# Altium PCB PM_Drive_UI.PcbDoc
Units mm, origin at the board's own origin, x right, y up, seen from the top; angles counter-clockwise.
Board outline 105.43 x 31.01 mm, 2 copper layers (Top Layer, Bottom Layer), stack 1.671 mm thick; 50 components, 35 nets, 165 pads, 268 vias.
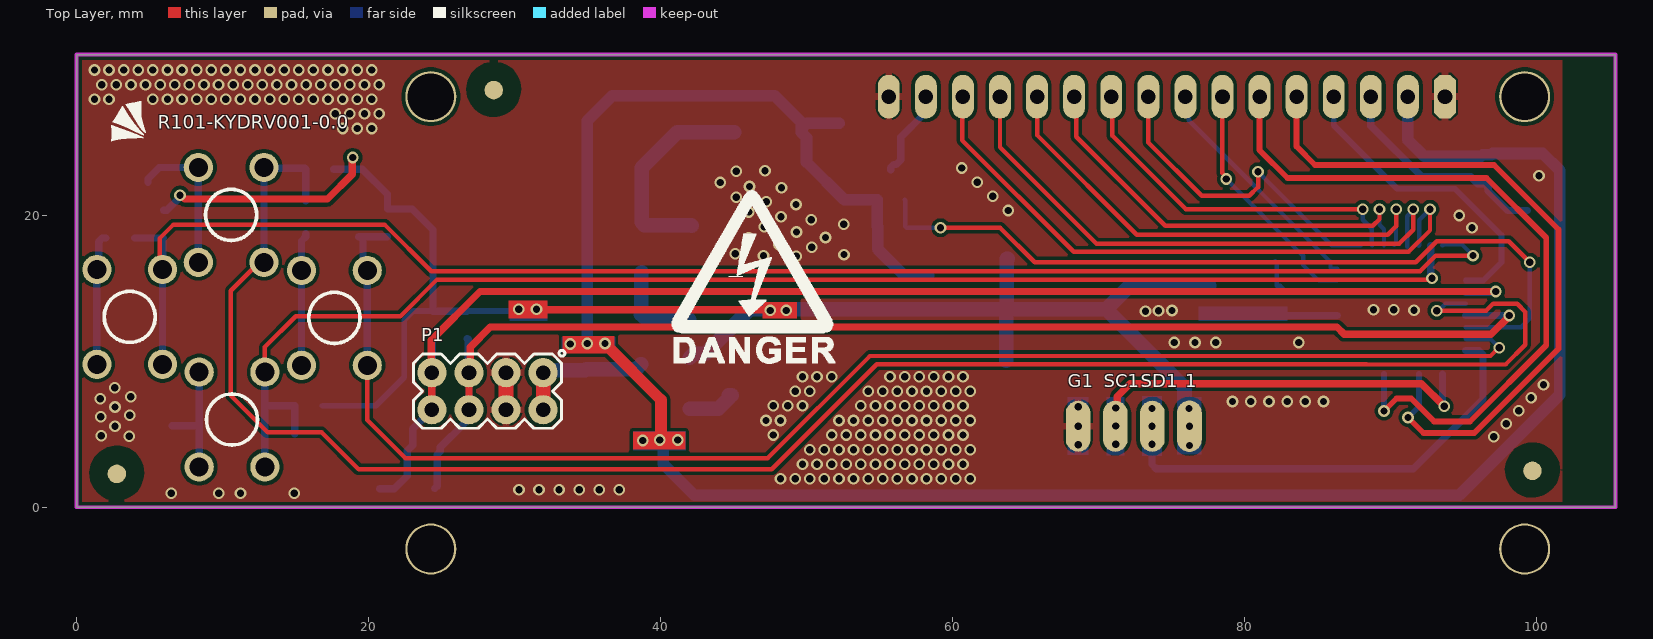
[diagram p0: Top Layer view]
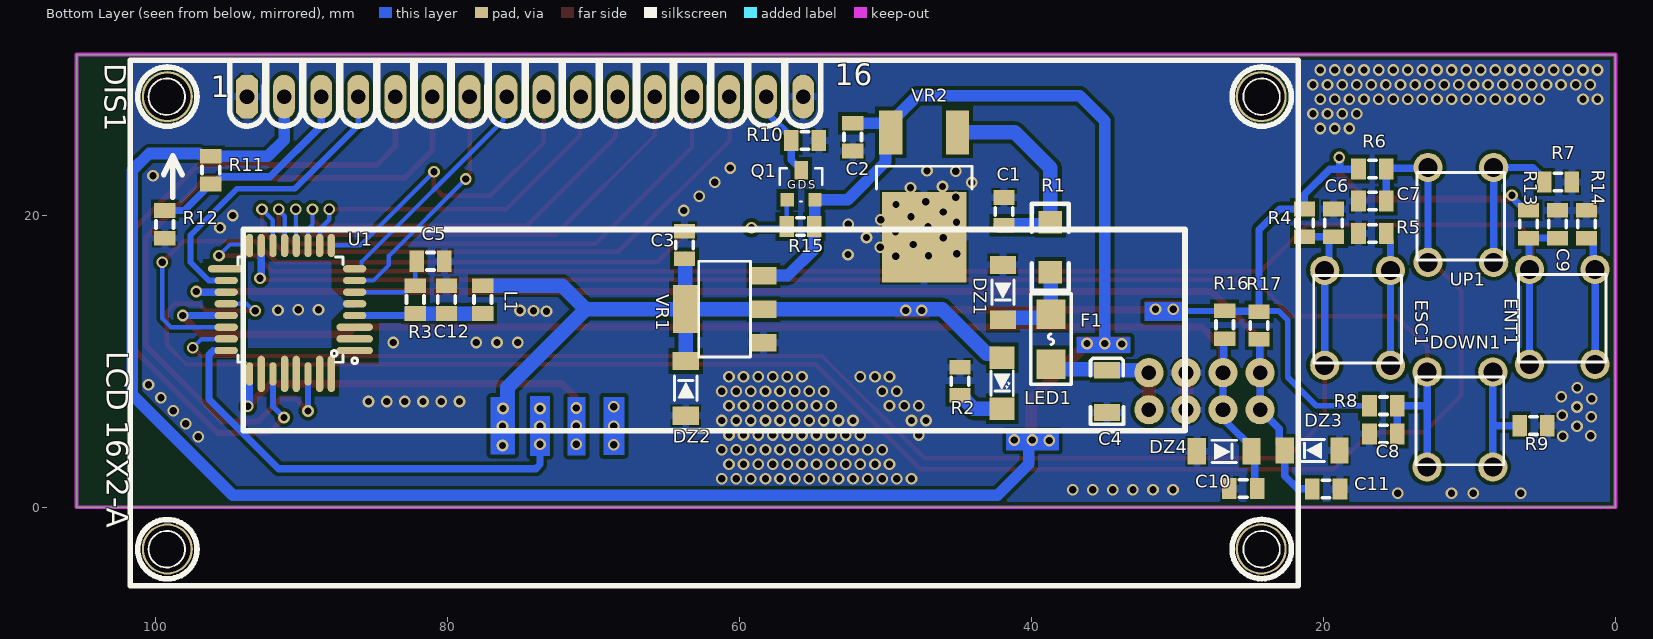
[diagram p1: Bottom Layer view, seen from below]

## Layer stack, top to bottom
Top Solder: solder mask 0.0102, Solder Resist, Dk 3.5
Top Layer: signal copper 0.0356
Dielectric 1: dielectric 1.6, FR-4, Dk 4.8
Bottom Layer: signal copper 0.0356
Bottom Solder: solder mask 0.0102, Solder Resist, Dk 3.5

## Board outline
0,0 105.425,0 105.425,31.01 0,31.01

## Design rules (kind name [scope] priority, off if disabled: settings)
Clearance [All] p1: gap=0.254 ignorepadtopadclearanceinfootprint=FALSE except(0: Arc-Hole Track-Hole SMDPad-Hole THPad-Hole Via-Hole Fill-Hole Poly-Hole Region-Hole Text-Hole)
HoleSize [All] p1: absolutevalues=TRUE maxlimit=5 minlimit=0.025 maxpercent=80.000 minpercent=20.000
MinimumSolderMaskSliver [All] p1: minsoldermaskwidth=0
PlaneConnect [All] p1: planeconnectstyle=Direct reliefexpansion=0.508 reliefentries=4 reliefconductorwidth=0.254 reliefairgap=0.254
PolygonConnect [All] p1: thpad.connectstyle=Relief thpad.reliefconductorwidth=0.508 thpad.reliefentries=4 thpad.polygonreliefangle="90 Angle" thpad.airgapwidth=0.127 smdpad.connectstyle=Relief smdpad.reliefconductorwidth=0.508 smdpad.reliefentries=4 smdpad.polygonreliefangle="90 Angle" smdpad.airgapwidth=0.127 via.connectstyle=Direct via.reliefconductorwidth=0.508 via.reliefentries=4 via.polygonreliefangle="90 Angle" via.airgapwidth=0.127
RoutingVias [All] p1: holewidth=0.5 width=0.9 viastyle="Through Hole" minholewidth=0.4 minwidth=0.8 maxholewidth=0.711 maxwidth=1.27
SilkToSilkClearance [All] p1: silktosilkclearance=0
SilkToSolderMaskClearance [IsPad] p1: minsilkscreentomaskgap=0 clearancetoexposedcopper=TRUE
SolderMaskExpansion [All] p1: expansion=0.102 istentingtop=FALSE
Width [All] p1: maxlimit=2.54 minlimit=0.254 preferedwidth=0.508 minimp=50.000000 maximp=50.000000 favimp=50.000000
25 further rules are at their usual default settings.

## Classes and differential pairs
component class PM_Drive_UI: 1 C1 C4 C7 C9 C12 DIS1 DOWN1 DZ1 DZ2 DZ3 DZ4 ENT1 ESC1 F1 G1 L1 LED1 P1 Q1 R1 R4 R6 R7 R8 R9 R10 R11 R13 R14 SC1 SD1 U1 UP1 VR1

## Components (designator, comment, footprint, x,y, rotation, side; value= is the part's Value field where it differs from the comment)
1 "" TPSMD_D1#1 77.784,5.544 r270 top net-tie value=VALUE
C1 "10UF_0805_16V" Cap_0805_Nominal 41.882,20.265 r270 bottom value=100nF
C2 "100NF_0805_16V" Cap_0805_Nominal 52.25,25.349 r90 bottom value=100nF
C3 "220NF_0805_16V" Cap_0805_Nominal 63.778,17.964 r270 bottom value=100nF
C4 "10UF_3216(A)_16V" Cap_Tantal(3216)_A 34.836,7.936 r90 bottom value=100UF_25V_5*5.8
C5 "100NF_0805_50V" Cap_0805_Nominal 81.171,16.843 r0 bottom value=100nF
C6 "10UF_0805_16V" Cap_0805_Nominal 19.32,19.475 r270 bottom value=100nF
C7 "10UF_0805_16V" Cap_0805_Nominal 16.658,20.976 r180 bottom value=100nF
C8 "10UF_0805_16V" Cap_0805_Nominal 15.902,5.024 r180 bottom value=100nF
C9 "10UF_0805_16V" Cap_0805_Nominal 3.978,19.385 r270 bottom value=100nF
C10 "100PF_0805_50V" Cap_0805_Nominal 25.499,1.281 r0 bottom value=100nF
C11 "100PF_0805_50V" Cap_0805_Nominal 19.825,1.251 r180 bottom value=100nF
C12 "100NF_0805_50V" Cap_0805_Nominal 80.08,14.221 r90 bottom value=100nF
DIS1 "LCD_2X16_A" LCD_2X16_A 101.742,30.621 r180 bottom locked
DOWN1 "SW_SPDT_4PIN" SWPBS-DIP_6X6X13.5 10.652,6.005 r90 bottom locked
DZ1 "ZENER_13V_MINIMELF" Diode_ZENER_MINIMELF 41.962,14.721 r270 bottom
DZ2 "ZENER_3.3V_MINIMELF" Diode_ZENER_MINIMELF 63.688,8.146 r90 bottom
DZ3 "ZENER_3.3V_MINIMELF" Diode_ZENER_MINIMELF 20.786,3.883 r0 bottom
DZ4 "ZENER_3.3V_MINIMELF" Diode_ZENER_MINIMELF 26.804,3.823 r180 bottom
ENT1 "SW_SPDT_4PIN" SWPBS-DIP_6X6X13.5 3.647,13.04 r90 bottom locked
ESC1 "SW_SPDT_4PIN" SWPBS-DIP_6X6X13.5 17.668,12.97 r90 bottom locked
F1 "Resetable_0.2A_1206" FUSE_1206 38.669,11.499 r90 bottom
G1 "" TPSMD_D1#2 68.617,5.544 r180 top net-tie value=VALUE
L1 "10UH_0805" INDUCTOR_0805_Nominal 77.598,14.221 r270 bottom
LED1 "WHITE_1206" LED_1206_NOMINAL 42.016,8.481 r270 bottom
P1 "Header 4X2_Male_2.54" HDR_M_2X4_2.54MM 28.155,7.946 r180 top locked
Q1 "AO3401_SOT23" SOT23_MOSFET 55.792,22.077 r180 bottom
R1 "1R_1206" "Res_1206_BIG SIZE" 38.709,17.804 r270 bottom value=10K_0603
R2 "1K_0805" Res_0805_Nominal 44.894,8.627 r270 bottom value=10K_0603
R3 "3.3K_0805" Res_0805_Nominal 82.222,14.221 r270 bottom value=10K_0603
R4 "3.3K_0805" Res_0805_Nominal 21.301,19.475 r270 bottom value=10K_0603
R5 "1K_0805" Res_0805_Nominal 16.658,18.754 r0 bottom value=10K_0603
R6 "3.3K_0805" Res_0805_Nominal 16.658,23.158 r180 bottom value=10K_0603
R7 "1K_0805" Res_0805_Nominal 3.943,22.267 r180 bottom value=10K_0603
R8 "3.3K_0805" Res_0805_Nominal 15.902,6.945 r180 bottom value=10K_0603
R9 "1K_0805" Res_0805_Nominal 5.619,5.584 r180 bottom value=10K_0603
R10 "1K_0805" Res_0805_Nominal 55.522,25.119 r180 bottom value=10K_0603
R11 "0.56K_0805" Res_0805_Nominal 96.223,23.088 r90 bottom value=10K_0603
R12 "0.1K_0805" Res_0805_Nominal 99.375,19.375 r90 bottom value=10K_0603
R13 "3.3K_0805" Res_0805_Nominal 5.96,19.385 r270 bottom value=10K_0603
R14 "1K_0805" Res_0805_Nominal 1.996,19.385 r90 bottom value=10K_0603
R15 "1K_0805" Res_0805_Nominal 55.832,19.225 r0 bottom value=10K_0603
R16 "3.3K_0805" Res_0805_Nominal 26.77,12.499 r90 bottom value=10K_0603
R17 "3.3K_0805" Res_0805_Nominal 24.419,12.449 r90 bottom value=10K_0603
SC1 "" TPSMD_D1#3 71.489,5.544 r180 top net-tie value=VALUE
SD1 "" TPSMD_D1#4 74.732,5.544 r180 top net-tie value=VALUE
U1 "STM32G030K6T6_LQFP32" QFG80_32 90.769,13.53 r0 bottom value=STM32G030K6T6
UP1 "SW_SPDT_4PIN" SWPBS-DIP_6X6X13.5 10.592,20.025 r90 bottom locked
VR1 "AMS1117_3.3V_SOT223" SOT223 61.026,13.57 r90 bottom
VR2 "78M05_DPACK" DPAK 47.356,22.087 r0 bottom

## Footprints (in the part's own frame and the unit in brackets; to place one, negate y for a bottom-side part, rotate by r counter-clockwise, add the part's x,y. Pads: shape width x height; smd on the part's side, far side on the other; paste and mask are expansions set on the pad)
Cap_0805_Nominal [mm]
  rect 1x1.45 smd: 1(-0.95,0) 2(0.95,0)
  silkscreen extent -0.25,-0.6 0.25,0.6, body extent -1,-0.64 1,0.65, height 1.29
Cap_Tantal(3216)_A [mm]
  rect 1.15x1.8 smd: 1(1.45,0) 2(-1.45,0)
  silkscreen extent -2.25,-1.13 2.26,1.13, body extent -1.7,-0.84 1.7,0.84, height 1.71
Diode_ZENER_MINIMELF [mm]
  rect 1.25x1.8 smd: 1(-1.875,0) 2(1.875,0)
  silkscreen extent -0.84,-0.76 0.84,0.76, body extent -1.82,-0.81 1.88,0.79, height 1.61
DPAK [mm]
  rect 1.6x3 smd: 1(-2.285,-3.59) 3(2.285,-3.59)
  rect 5.8x6.2 smd: 2(0,3.59)
  silkscreen extent -3.27,-1.27 3.26,0.29, body extent -3.37,-4.45 3.36,6, height 2.39
FUSE_1206 [mm]
  rect 2x2 smd: 1(-1.705,0.001) 2(1.724,0.001)
  silkscreen extent -3.09,-1.38 3.12,1.38, body extent -1.69,-0.85 1.71,0.85, height 0.81
HDR_M_2X4_2.54MM [mm] "Male Header 2X04 with 2.54 mm Pitch"
  round 2 / inner round 1.5 / far side round 2 hole 1 mask+0.1: 1(-3.81,-1.27) 2(-3.81,1.27) 3(-1.27,-1.27) 4(-1.27,1.27) 5(1.27,-1.27) 6(1.27,1.27) 7(3.81,-1.27) 8(3.81,1.27)
  silkscreen extent -5.3,-2.8 5.08,2.54, body extent -5.08,-2.49 5.08,2.49, height 8.54
INDUCTOR_0805_Nominal [mm]
  rect 1x1.45 smd: 1(-0.95,0) 2(0.95,0)
  silkscreen extent -0.25,-0.6 0.25,0.6, body extent -1.1,-0.72 1.1,0.73, height 0.55
LCD_2X16_A [mm]
  round 3.5 hole 3.2: 0(2.54,-33.487) 0(2.54,-2.499) 0(77.47,-33.487) 0(77.47,-2.499)
  oct 1.5x3 hole 1: 1(8,-2.5)
  oval 1.5x3 hole 1: 2(10.54,-2.5) 3(13.08,-2.5) 4(15.62,-2.5) 5(18.16,-2.5) 6(20.7,-2.5) 7(23.24,-2.5) 8(25.78,-2.5) 9(28.32,-2.5) 10(30.86,-2.5) 11(33.4,-2.5) 12(35.94,-2.5) 13(38.48,-2.5) 14(41.02,-2.5) 15(43.56,-2.5) 16(46.1,-2.5)
  silkscreen extent 0,-36 80,0, body extent 0,-36.06 80.01,-0.06, height 14
LED_1206_NOMINAL [mm]
  rect 1.54x1.7 smd: 1(-1.75,0) 2(1.75,0)
  silkscreen extent -0.84,-0.76 0.84,0.76, body extent -1.6,-0.8 1.6,0.8, height 1.1
QFG80_32 [mm] "TQFP32, A32 (Cypress), GP32 (Zarlink), MS-026ABA(JEDEC), 7X7mm, 0.8mm"
  oval 2.5x0.5 smd: 1(-4.4,2.8) 2(-4.4,2) 3(-4.4,1.2) 17(4.4,-2.8)
  oval 1.6x0.5 smd: 4(-4.4,0.4) 5(-4.4,-0.4) 6(-4.4,-1.2) 7(-4.4,-2) 8(-4.4,-2.8) 18(4.4,-2) 19(4.4,-1.2) 20(4.4,-0.4) 21(4.4,0.4) 22(4.4,1.2) 23(4.4,2) 24(4.4,2.8)
  oval 0.5x1.6 smd: 9(-2.8,-4.4) 10(-2,-4.4) 11(-1.2,-4.4) 12(-0.4,-4.4) 13(0.4,-4.4) 14(1.2,-4.4) 15(2,-4.4) 16(2.8,-4.4) 25(2.8,4.4) 27(1.2,4.4) 30(-1.2,4.4)
  oval 0.5x2.5 smd: 26(2,4.4) 28(0.4,4.4) 29(-0.4,4.4) 31(-2,4.4) 32(-2.8,4.4)
  silkscreen extent -4.6,-3.6 3.6,3.7, body extent -4.5,-4.5 4.5,4.5, height 1.63
Res_0805_Nominal [mm]
  rect 1x1.45 smd: 1(-0.95,0) 2(0.95,0)
  silkscreen extent -0.25,-0.6 0.25,0.6, body extent -1,-0.62 1,0.63, height 0.47
"Res_1206_BIG SIZE" [mil]
  rect 60x62.99 smd: 1(67.5,0) 2(-67.5,0)
  silkscreen extent -118,-50 118,50, body extent -62,-32 64,31, height 21
SOT23_MOSFET [mil]
  rect 36x36 smd: 1(-37.5,-40) 2(37.5,-40)
  rect 36x50 smd: 3(0.5,40)
  silkscreen extent -58,-45 58,45, body extent -59,-49 59,49, height 42
SOT223 [mm]
  rect 1.2x1.775 smd: 1(-2.3,-2.663) 2(0,-2.663) 3(2.3,-2.663)
  rect 3.3x1.775 smd: 2(0,2.663)
  silkscreen extent -3.27,-1.78 3.27,1.77, body extent -3.25,-3.48 3.25,3.48, height 1.68
SWPBS-DIP_6X6X13.5 [mm]
  round 2 hole 1.3: 1(-3.25,2.25) 2(-3.25,-2.25) 3(3.25,-2.25) 4(3.25,2.25)
  silkscreen extent -3.1,-3 2.9,3, body extent -4.29,-3 4.09,3, height 15
TPSMD_D1#1 [mm] "Test Point, SMD Pad, Circle, 1mm X 1mm"
  oval 3.52x1.7 smd paste-1.016 mask+0.025: 1(0,-1.547)
TPSMD_D1#2 [mm] "Test Point, SMD Pad, Circle, 1mm X 1mm"
  oval 1.7x3.5 smd paste-1.016 mask+0.025: 1(0,0)
TPSMD_D1#3 [mm] "Test Point, SMD Pad, Circle, 1mm X 1mm"
  oval 1.7x3.5 smd paste-1.016 mask+0.025: 1(0.332,0)
TPSMD_D1#4 [mm] "Test Point, SMD Pad, Circle, 1mm X 1mm"
  oval 1.7x3.5 smd paste-1.016 mask+0.025: 1(1.034,0)

## Part data
1 G1 SC1 SD1: library part TESTPOINT_SMD, "TEST POINT", MANF=MANF, MANF_P#=MANF_P#
C1 C2 C3 C5 C6 C7 C8 C9 C10 C11 C12: library part Cap, Component ID=000401
C4: library part Cap_Electrical
DZ1 DZ2 DZ3 DZ4: library part Diode_Zener
F1: library part FUSE
L1: library part Inductor, Component ID=003143
LED1: library part LED, Component ID=000517
P1: library part "Header 4X2", "Header, 6-Pin, Dual row", LatestRevisionDate=17-Jul-2002, LatestRevisionNote="Re-released for DXP Platform.", Publisher="Altium Limited"
Q1: library part MOSFET-P, "P-Channel MOSFET", LatestRevisionDate=17-Jul-2002, LatestRevisionNote="Re-released for DXP Platform.", PackageDescription="TO, Flat Index; 3 In-Line, Axial Leads; Body Dia. 4.6mm; Lead Dia. 0.5 mm (max)", PackageReference=E3, PackageVersion=1995/1996, Published=8-Jun-2000, Publisher="Altium Limited"
R1 R2 R3 R4 R5 R6 R7 R8 R9 R10 R11 R12 R13 R14 R15 R16 R17: library part RES, Component ID=000091
U1: library part STM32G030K6T6, "MCU, STM32, Arm® Cortex®-M0+ 32-bit MCU, 32KB FLASH, 8KB SRAM, 64 MHz CPU, 2x USART, timers, ADC, comm. I/Fs, 2.0-3.6V", DESC="64MHz, I2C, SPI, USART", MANF=ST, MANF_P#=STM32G030K6T6, PARAM="32KB FLASH,8KB SRAM, -40~85°C", PARAM2="2~3.6VCC, 64MHz, 12Bit ADC", PRICE=1$
VR1: library part AMS1117
VR2: library part 78M05

## Free pads (board coordinates)
  round 1.27 smd mask+1.27: 0(2.763,2.28) 0(28.582,28.57) 0(99.737,2.49)

## Via types
v1: diameter 0.8, hole 0.5, Top Layer to Bottom Layer, tented both sides, 268 vias

## Nets (pads, with @x,y where several pads share a name; then routed paths per layer and width w, separated by ;. In a path a pad name is that pad's centre, name@x,y a point inside that pad or via, vN(x,y) a via of type N, cw(c..) or ccw(c..) an arc to the next point about the centre after c; other vN are vias at no path point)
3V3: 1.1 C3.2 DZ2.2 L1.1 LED1.1 R4.1 R6.1 R8.1 R13.1 R16.2 R17.2 VR1.2 | length 120.2
  Top Layer w0.5: v1(7.089,21.359) 7.171,21.359 7.423,21.106 17.193,21.106 18.884,22.797 18.884,23.911 v1(18.923,23.949) ; v1(31.514,13.55) 31.534,13.53 47.476,13.53 v1(47.526,13.48)
  Bottom Layer w0.4: R8.1 20.506,6.945 22.457,8.897 22.457,12.82 23.078,13.44 24.378,13.44 R17.2 ; R16.2 v1@30.433,13.449 ; v1(30.293,13.55) 30.433,13.41 30.964,13.41
  Bottom Layer w0.5: R13.1 6.185,20.335 7.032,21.182 7.032,21.301 v1(7.089,21.359) ; R6.1 18.894,23.158 ; v1(18.923,23.949) 18.894,23.921 18.894,23.158 ; R16.2 26.745,13.424 24.444,13.424 R17.2 24.419,19.004 22.998,20.425 R4.1 21.301,21.441 19.585,23.158 18.894,23.158
  Bottom Layer w1: LED1.1 42.286,10.501 43.066,10.501 46.135,13.57 58.364,13.57 VR1.2@63.689,13.57 ; DZ2.2 VR1.2@63.689,13.57 ; C3.2 63.734,17.014 63.734,13.615 VR1.2@63.689,13.57 ; v1(76.208,6.765) 76.168,6.765 75.897,7.036 75.897,8.217 70.544,13.57 ; L1.1 72.145,15.171 70.544,13.57 ; VR1.2@63.689,13.57 70.544,13.57
  other v1: 76.238,4.223 76.237,5.544 48.627,13.48
+12v: C4.1 F1.1 P1.1 P1.2 | length 9.5
  Top Layer w1: P1.2 P1.1
  Bottom Layer w1: P1.1 32.135,9.386 C4.1 34.912,9.461 38.338,9.461 F1.1
A: DIS1.7 U1.7 | length 16.6
  Top Layer w0.3: DIS1.7@78.482,28.101 78.482,22.89 78.76,22.612 v1(78.76,22.477)
  Bottom Layer w0.3: v1(78.76,22.477) 84.024,17.213 84.024,16.593 85.086,15.53 U1.7
Anode: DIS1.15 Q1.3 R10.1 | length 6.1
  Bottom Layer w0.5: Q1.3 55.78,23.271 55.987,23.478 56.165,23.478 56.472,23.785 R10.1 56.472,25.344 57.991,26.863 57.991,27.93 DIS1.15
B: DIS1.8 U1.8 | length 16.3
  Bottom Layer w0.3: DIS1.8 76.192,27.892 76.192,26.507 85.899,16.8 85.899,16.423 85.991,16.33 U1.8
C: DIS1.9 U1.9 | length 22.6
  Top Layer w0.3: DIS1.9 73.422,24.982 77.079,21.326 80.341,21.326 80.941,21.927 v1(80.941,22.977)
  Bottom Layer w0.3: v1(80.941,22.977) 85.989,17.93 U1.9
D: DIS1.10 U1.10 | length 24.7
  Top Layer w0.3: DIS1.10@70.964,28.211 70.964,25.439 75.998,20.405 v1(88.107,20.405)
  Bottom Layer w0.3: v1(88.107,20.405) 88.107,19.692 88.731,19.069 88.731,17.969 U1.10
D4: Q1.1 R15.2 U1.22 | length 55.3
  Top Layer w0.3: v1(59.191,19.146) 63.266,19.146 65.64,16.773 91.74,16.773 93.181,18.214 98.115,18.214 v1(99.546,16.783)
  Bottom Layer w0.3: Q1.1 56.782,21.023 R15.2 56.861,19.146 v1(59.191,19.146) ; U1.22 98.956,12.33 99.546,12.92 v1(99.546,16.783)
DP: DIS1.14 U1.14 | length 43
  Top Layer w0.3: DIS1.14@60.566,28.021 60.666,27.921 60.666,25.139 68.312,17.493 91.249,17.493 92.718,18.962 v1(92.718,20.405)
  Bottom Layer w0.3: U1.14@91.95,17.914 91.969,17.933 91.969,19.656 v1(92.718,20.405)
E: DIS1.11 U1.11 | length 29.6
  Top Layer w0.3: DIS1.11@68.292,28.151 68.482,27.961 68.482,25.379 74.59,19.271 88.804,19.271 89.26,19.727 v1(89.26,20.405)
  Bottom Layer w0.3: v1(89.26,20.405) 89.26,19.343 89.569,19.034 U1.11
EN: DIS1.6 U1.30 | length 50
  Top Layer w0.4: DIS1.6 81.042,24.458 82.953,22.547 96.593,22.547 100.686,18.454 100.686,11.098 95.462,5.874 93.001,5.874 91.429,7.446 90.43,7.446 v1(89.569,6.585)
  Bottom Layer w0.4: v1(89.569,6.585) U1.30
F: DIS1.12 U1.12 | length 34
  Top Layer w0.3: DIS1.12 65.802,25.487 72.625,18.664 89.82,18.664 90.413,19.257 v1(90.413,20.405)
  Bottom Layer w0.3: U1.12@90.279,17.974 90.391,18.086 90.391,20.384 v1(90.413,20.405)
G: DIS1.13 U1.13 | length 39
  Top Layer w0.3: DIS1.13@63.262,28.107 63.262,24.655 69.869,18.047 90.602,18.047 91.566,19.01 v1(91.566,20.405)
  Bottom Layer w0.3: U1.13@91.159,17.844 91.159,19.932 91.566,20.338 v1(91.566,20.405)
GND: C1.1 C2.1 C3.1 C4.2 C5.1 C6.1 C7.1 C8.1 C9.1 C10.2 C11.2 C12.2 DIS1.1 DIS1.16 DZ1.1 DZ2.1 DZ3.1 DZ4.1 G1.1 P1.3 P1.4 R2.1 R5.2 R7.2 R9.2 R10.2 R12.1 R14.2 U1.5 VR1.1 VR2.2 | length 2.5
  Top Layer w1: P1.4 P1.3
  other v1: 6.495,0.951 9.74,0.951 11.229,0.951 14.911,0.951 30.313,1.191 31.686,1.191 33.059,1.191 34.432,1.191 35.805,1.191 37.178,1.191 48.228,1.944 49.228,1.944 50.228,1.944 51.228,1.944 52.228,1.944 53.228,1.944 54.228,1.944 55.228,1.944 56.228,1.944 57.228,1.944 58.228,1.944 59.228,1.944 60.228,1.944 61.228,1.944 49.728,2.944 50.728,2.944 51.728,2.944 52.728,2.944 53.728,2.944 54.728,2.944 55.728,2.944 56.728,2.944 57.728,2.944 58.728,2.944 59.728,2.944 60.728,2.944 50.228,3.944 51.228,3.944 52.228,3.944 53.228,3.944 54.228,3.944 55.228,3.944 56.228,3.944 57.228,3.944 58.228,3.944 59.228,3.944 60.228,3.944 61.228,3.944 68.612,4.273 97.084,4.834 3.623,4.864 1.701,4.894 47.728,4.944 51.728,4.944 52.728,4.944 53.728,4.944 54.728,4.944 55.728,4.944 56.728,4.944 57.728,4.944 58.728,4.944 59.728,4.944 60.728,4.944 2.642,5.544 68.617,5.544 97.937,5.724 47.228,5.944 48.228,5.944 52.228,5.944 53.228,5.944 54.228,5.944 55.228,5.944 56.228,5.944 57.228,5.944 58.228,5.944 59.228,5.944 60.228,5.944 61.228,5.944 1.671,6.195 3.643,6.305 98.79,6.615 2.642,6.865 68.622,6.885 47.728,6.944 48.728,6.944 49.728,6.944 53.728,6.944 54.728,6.944 55.728,6.944 56.728,6.944 57.728,6.944 58.728,6.944 59.728,6.944 60.728,6.944 79.19,7.235 80.437,7.235 81.684,7.235 82.931,7.235 84.178,7.235 85.425,7.235 1.621,7.436 99.643,7.506 3.723,7.556 49.228,7.944 50.228,7.944 54.228,7.944 55.228,7.944 56.228,7.944 57.228,7.944 58.228,7.944 59.228,7.944 60.228,7.944 61.228,7.944 2.622,8.176 100.496,8.396 49.728,8.944 50.728,8.944 51.728,8.944 55.728,8.944 56.728,8.944 57.728,8.944 58.728,8.944 59.728,8.944 60.728,8.944 75.197,11.283 76.619,11.283 78.042,11.283 83.73,11.283 73.226,13.43 74.116,13.46 75.044,13.475 91.62,13.49 88.847,13.52 90.229,13.53 49.302,17.184 47.066,17.233 52.57,17.303 45.134,17.363 50.368,17.814 48.107,17.995 46.06,18.457 51.309,18.474 49.317,18.854 95.593,19.135 47.102,19.205 52.55,19.375 45.14,19.528 50.338,19.685 48.257,19.893 94.722,19.975 46.045,20.216 63.828,20.325 49.287,20.736 47.246,20.931 45.204,21.226 62.764,21.296 48.292,21.887 46.103,21.969 44.103,22.237 61.7,22.267 100.186,22.697 45.204,23.007 47.166,23.037 60.636,23.238 18.228,25.944 19.228,25.944 20.228,25.944 17.728,26.944 18.728,26.944 19.728,26.944 20.728,26.944 1.228,27.944 2.228,27.944 5.228,27.944 6.228,27.944 7.228,27.944 8.228,27.944 9.228,27.944 10.228,27.944 11.228,27.944 12.228,27.944 13.228,27.944 14.228,27.944 15.228,27.944 16.228,27.944 17.228,27.944 18.228,27.944 19.228,27.944 20.228,27.944 1.728,28.944 2.728,28.944 3.728,28.944 4.728,28.944 5.728,28.944 6.728,28.944 7.728,28.944 8.728,28.944 9.728,28.944 10.728,28.944 11.728,28.944 12.728,28.944 13.728,28.944 14.728,28.944 15.728,28.944 16.728,28.944 17.728,28.944 18.728,28.944 19.728,28.944 20.728,28.944 1.228,29.944 2.228,29.944 3.228,29.944 4.228,29.944 5.228,29.944 6.228,29.944 7.228,29.944 8.228,29.944 9.228,29.944 10.228,29.944 11.228,29.944 12.228,29.944 13.228,29.944 14.228,29.944 15.228,29.944 16.228,29.944 17.228,29.944 18.228,29.944 19.228,29.944 20.228,29.944
M.VCC: C12.1 L1.2 R3.2 U1.4 | length 8.8
  Bottom Layer w0.5: L1.2 C12.1 R3.2 82.363,13.13 U1.4
NetC1_2: C1.2 R1.2 VR2.1 | length 14.6
  Bottom Layer w1: C1.2@42.145,19.277 42.107,19.315 C1.2 38.912,19.315 R1.2 38.709,23.238 41.149,25.677 VR2.1
NetC5_2: C5.2 R3.1 U1.6 | length 6
  Bottom Layer w0.3: C5.2 82.222,16.742 R3.1 82.447,15.171 82.888,14.73 U1.6
NetDOWN1_2: DOWN1.2 DOWN1.3 R9.1 | length 8.4
  Bottom Layer w0.5: R9.1 8.333,5.584 8.403,5.514 ; DOWN1.2 8.403,5.514 ; DOWN1.3 8.403,5.514
NetDZ1_2: DZ1.2 F1.2 R1.1 | length 6.3
  Bottom Layer w1: R1.1 38.69,16.069 38.69,13.242 F1.2 38.921,12.971 41.837,12.971 DZ1.2
NetENT1_2: ENT1.2 ENT1.3 R14.1 | length 9.1
  Bottom Layer w0.5: ENT1.3 ENT1.2 1.397,9.741 ENT1.2@1.521,9.617 ; ENT1.3@1.521,16.362 R14.1@1.521,17.959 ; R14.1@1.521,17.96 1.521,18.185 1.772,18.435 R14.1
NetESC1_2: ESC1.2 ESC1.3 R5.1 | length 9.2
  Bottom Layer w0.5: ESC1.2 ESC1.3 15.418,18.24 15.708,18.529 R5.1
NetLED1_2: LED1.2 R2.2 | length 3.4
  Bottom Layer w1: LED1.2 43.949,6.731 44.669,7.452 44.669,7.677 R2.2
NetR7_1: R7.1 UP1.2 UP1.3 | length 10.5
  Bottom Layer w0.5: R7.1 4.893,22.492 5.676,23.275 UP1.3 UP1.2
RS: DIS1.4 U1.18 | length 21.4
  Bottom Layer w0.4: DIS1.4 86.122,26.163 90.469,21.817 94.432,21.817 97.614,18.634 97.614,16.78 96.365,15.53 U1.18
RW: DIS1.5 U1.27 | length 48.3
  Top Layer w0.4: DIS1.5 83.582,24.71 84.844,23.448 97.104,23.448 101.527,19.024 101.527,10.858 95.753,5.084 92.27,5.084 v1(91.209,6.145)
  Bottom Layer w0.4: v1(91.209,6.145) 91.964,6.9 91.964,9.126 U1.27
RX1: C10.1 DZ4.2 P1.5 P1.6 R16.1 U1.21 | length 91
  Top Layer w0.5: P1.6 P1.5 ; P1.5@26.968,9.284 26.968,10.966 28.342,12.339 86.346,12.339 86.846,11.839
  Top Layer w0.508: 86.846,11.839 96.894,11.839 98.145,13.09 v1(98.145,13.134)
  Bottom Layer w0.5: U1.21 98.141,13.13 v1(98.145,13.134)
  Bottom Layer w0.508: C10.1 24.699,1.43 24.699,3.593 DZ4.2 24.929,4.098 26.599,5.768 26.599,6.39 P1.6 P1.5 26.827,9.273 26.827,11.492 R16.1
SW_1: C9.2 ENT1.1 ENT1.4 R13.2 U1.16 | length 107.4
  Top Layer w0.3: ENT1.4@5.834,16.242 5.694,16.382 5.694,18.414 6.615,19.335 21.126,19.335 24.298,16.162 92.04,16.162 93.112,17.234 v1(95.661,17.234)
  Bottom Layer w0.3: U1.16 93.598,17.93 93.661,17.994 94.902,17.994 v1(95.661,17.234)
  Bottom Layer w0.5: C9.2 R13.2 5.928,18.404 5.928,16.338 ENT1.4@5.965,16.302 ; ENT1.1 ENT1.4@5.897,16.239
SW_2: C8.2 DOWN1.1 DOWN1.4 R8.2 U1.15 | length 96.6
  Top Layer w0.3: DOWN1.4 12.903,10.971 15.011,13.08 22.187,13.08 24.699,15.592 92.762,15.592 v1(92.851,15.681)
  Bottom Layer w0.5: DOWN1.4 12.903,6.955 ; DOWN1.1@13.142,2.754 DOWN1.1 12.903,6.955 ; C8.2@14.967,5.009 C8.2 R8.2 12.913,6.945 12.903,6.955 ; U1.15 92.769,15.765 92.851,15.683 v1(92.851,15.681)
SW_3: C7.2 R6.2 U1.20 UP1.1 UP1.4 | length 127.1
  Top Layer w0.3: UP1.1 12.512,16.775 10.568,14.831 10.568,7.656 13.1,5.124 16.793,5.124 19.325,2.592 47.626,2.592 54.822,9.787 88.387,9.787 88.377,9.777 97.894,9.777 99.251,11.134 99.251,13.375 98.687,13.938 97.041,13.938 96.569,13.466 v1(93.182,13.466)
  Bottom Layer w0.3: v1(93.182,13.466) 93.317,13.466 93.782,13.93 U1.20
  Bottom Layer w0.5: UP1.1 UP1.4 12.901,23.216 15.649,23.216 R6.2 C7.2
SW_4: C6.2 ESC1.1 ESC1.4 R4.2 U1.23 | length 99.1
  Top Layer w0.3: ESC1.1 19.918,5.972 22.527,3.363 47.356,3.363 54.351,10.358 96.864,10.358 97.428,10.922 v1(97.46,10.922)
  Bottom Layer w0.3: U1.23 95.207,11.492 96.888,11.492 97.459,10.921 v1(97.46,10.922)
  Bottom Layer w0.5: C6.2 C6.2@19.381,18.525 ; ESC1.1 ESC1.4 19.631,16.507 19.631,18.275 C6.2@19.381,18.525 ; R4.2 C6.2@19.381,18.525
SWCLK: SC1.1 U1.25 | length 26.5
  Top Layer w0.5: v1(71.184,6.795) 71.286,6.897 71.286,7.578 72.165,8.456 92.14,8.456 v1(93.691,6.905)
  Bottom Layer w0.5: U1.25 93.569,7.109 93.691,6.986 v1(93.691,6.905)
  other v1: 71.184,4.303 71.184,5.564
SWDIO: SD1.1 U1.24 | length 30.5
  Bottom Layer w0.5: v1(73.676,4.303) 73.676,2.925 73.969,2.632 91.585,2.632 96.343,7.391 96.343,10.437 96.05,10.73 U1.24
  other v1: 73.676,5.544 73.676,6.765
TX1: C11.1 DZ3.2 P1.7 P1.8 R17.1 U1.19 | length 93.6
  Top Layer w0.5: P1.7@24.298,9.216 24.298,11.439 27.636,14.777 v1(97.214,14.777) ; P1.8 P1.7
  Bottom Layer w0.5: U1.19 96.972,14.73 97.093,14.851 97.174,14.851 97.214,14.811 v1(97.214,14.777)
  Bottom Layer w0.508: C11.1 21.775,1.251 22.661,2.137 DZ3.2 23.032,4.254 23.032,5.363 P1.8 P1.7 24.382,9.253 24.382,11.462 R17.1
VCC: C2.2 DIS1.2 Q1.2 R11.2 R15.1 VR1.3 VR2.3 | length 156.1
  Top Layer w0.8: v1(36.207,11.219) 36.207,11.178 40.04,7.346 40.04,4.684 v1(39.96,4.603)
  Bottom Layer w0.8: v1(34.987,11.219) 34.987,26.47 36.708,28.191 47.826,28.191 49.641,26.377 VR2.3@49.641,25.899 ; v1(41.181,4.603) 40.517,4.603 40.197,4.283 40.197,2.956 42.332,0.821 94.712,0.821 101.597,7.706 101.597,23.068 100.436,24.228 97.017,24.228 96.926,24.138 96.323,24.138 R11.2 92.321,24.038 91.202,25.156 DIS1.2 ; C2.2 50.041,26.299 VR2.3@49.641,25.899 ; VR1.3 56.695,15.87 54.882,17.683 R15.1 54.861,19.246 54.861,21.04 Q1.2 54.79,21.061 54.783,21.068 52.588,21.068 50.009,23.647 50.009,25.309 VR2.3 VR2.3@49.641,25.899
  other v1: 38.799,4.563 33.826,11.178
VEE: DIS1.3 R11.1 R12.2 | length 15.2
  Bottom Layer w0.5: DIS1.3 88.662,26.135 92.17,22.627 95.508,22.627 95.998,22.138 96.448,22.138 96.698,21.888 96.698,21.663 98.036,20.325 R12.2
pads on no net: DIS1.0 U1.1 U1.2 U1.3 U1.17 U1.26 U1.28 U1.29 U1.31 U1.32

## Polygon pours and split planes (outlines as drawn)
GND on Top Layer "GND_L01_P000" (solid, remove dead copper, pour order 0): 101.767,0.001 101.767,31.014 0.002,31.014 0.002,0.001
GND on Bottom Layer "GND_L02_P001" (solid, remove dead copper, pour order 1): 101.787,0.001 101.787,31.014 0.002,31.014 0.002,0.001

## Keep-outs
Keep-Out Layer:
  the board outline again, w0.254

## Other copper
Top Layer:
  rectangle net VCC: 38.129,3.953 41.702,5.174
  rectangle net VCC: 33.295,10.518 36.868,11.739
  rectangle net 3V3: 46.976,12.94 49.357,14.071
  rectangle net 3V3: 29.592,12.94 32.265,14.171
  pour cut-out: 28.369,30.513 27.899,30.403 27.378,30.103 27.018,29.723 26.758,29.202 26.658,28.672 26.738,28.111 26.948,27.661 27.208,27.301 27.498,27.04 27.859,26.85 28.229,26.74 28.659,26.71 29.029,26.78 29.34,26.89 29.7,27.091 30.02,27.361 30.27,27.721 30.44,28.251 30.491,28.632 30.44,29.112 30.26,29.532 29.92,30.023 29.46,30.313 29.119,30.443 28.719,30.533
  pour cut-out: 99.523,4.433 99.053,4.323 98.532,4.023 98.172,3.643 97.912,3.122 97.812,2.592 97.892,2.031 98.102,1.581 98.362,1.221 98.652,0.961 99.013,0.771 99.383,0.66 99.813,0.63 100.183,0.7 100.494,0.811 100.854,1.011 101.174,1.281 101.424,1.641 101.595,2.172 101.645,2.552 101.595,3.032 101.414,3.453 101.074,3.943 100.614,4.233 100.274,4.363 99.873,4.453
  pour cut-out: 2.549,4.223 2.079,4.113 1.559,3.813 1.198,3.433 0.938,2.912 0.838,2.382 0.918,1.821 1.128,1.371 1.388,1.011 1.679,0.751 2.039,0.56 2.409,0.45 2.84,0.42 3.21,0.49 3.52,0.6 3.88,0.801 4.201,1.071 4.451,1.431 4.621,1.961 4.671,2.342 4.621,2.822 4.441,3.242 4.1,3.733 3.64,4.023 3.3,4.153 2.9,4.243
Bottom Layer:
  rectangle net VCC: 33.225,10.558 36.938,11.659
  rectangle net VCC: 38.109,3.883 41.752,5.224
  rectangle net 3V3: 29.653,12.77 32.275,14.051
  rectangle net GND: 67.892,3.583 69.333,7.556
  rectangle net SWCLK: 70.544,3.553 71.785,7.556
  rectangle net SWDIO: 73.005,3.523 74.356,7.616
  rectangle net 3V3: 75.397,3.613 77.049,7.536
  rectangle net M.VCC: 76.858,12.74 82.943,13.75
  pour cut-out: 85.493,14.318 85.496,14.315 85.496,13.648 81.172,13.648 81.008,13.813 81.209,14.013 81.209,14.634
  pour cut-out: 85.115,14.501 85.178,14.437 87.39,14.437 87.986,15.033 87.969,15.05 87.969,17.93 84.778,17.93 84.734,17.974
  pour cut-out: 84.691,13.676 87.111,13.676 87.969,12.818 87.969,9.839 84.873,9.839 84.705,9.671
  pour cut-out: 87.387,10.936 93.693,10.936 93.737,10.98 93.748,10.969 93.748,7.574 87.464,7.574 87.431,7.54
  pour cut-out: 93.673,17.006 93.673,9.976 93.717,9.932 93.892,10.107 96.78,10.107 96.78,16.962 96.739,17.003 96.854,17.003
  pour cut-out: 86.406,16.873 86.473,16.805 93.972,16.805 93.972,19.025 94.021,19.074 93.931,19.165 86.41,19.165

## Silkscreen, mask and mechanical layers (free items; w line width, h text height)
Top Overlay:
  drawing of 2456 lines, arcs and shapes, not listed
  text "R101-KYDRV001-0.0" at 5.575,25.617 h1.6
Mechanical 15:
  lines w0.254: 56.788,13.279 ccw(c51.739,12.83) 56.791,13.25 ; 80.829,13.509 ccw(c73.226,12.841) 80.831,13.48 ; 29.482,20.816 36.508,20.816 36.508,25.289 29.482,25.289 29.482,20.816 ; 29.602,0 36.628,0 36.628,4.473 29.602,4.473 29.602,0 ; 58.534,20.395 65.56,20.395 65.56,24.869 58.534,24.869 58.534,20.395 ; 58.675,0.09 65.7,0.09 65.7,4.563 58.675,4.563 58.675,0.09 ; 87.707,20.566 94.732,20.566 94.732,25.039 87.707,25.039 87.707,20.566 ; 87.977,0.09 95.002,0.09 95.002,4.563 87.977,4.563 87.977,0.09

## Dimensions
0.002,31.014 to 105.43,30.994 on Mechanical 15
0,0 to 0.002,31.014 on Mechanical 15

## Text inside footprints (layer, text, board x,y; h text height)
DIS1: Bottom Overlay "16" at 53.471,28.402 h2.54; Bottom Overlay "1" at 96.223,27.581 h2.54; Bottom Overlay "LCD 16X2-A" at 103.869,10.688 h2.54 r90
Q1: Bottom Overlay "D" at 56.022,21.606 h1; Bottom Overlay "S" at 55.303,21.596 h1; Bottom Overlay "G" at 56.754,21.596 h1